# KiCad board mtt_final.kicad_pcb (continued)
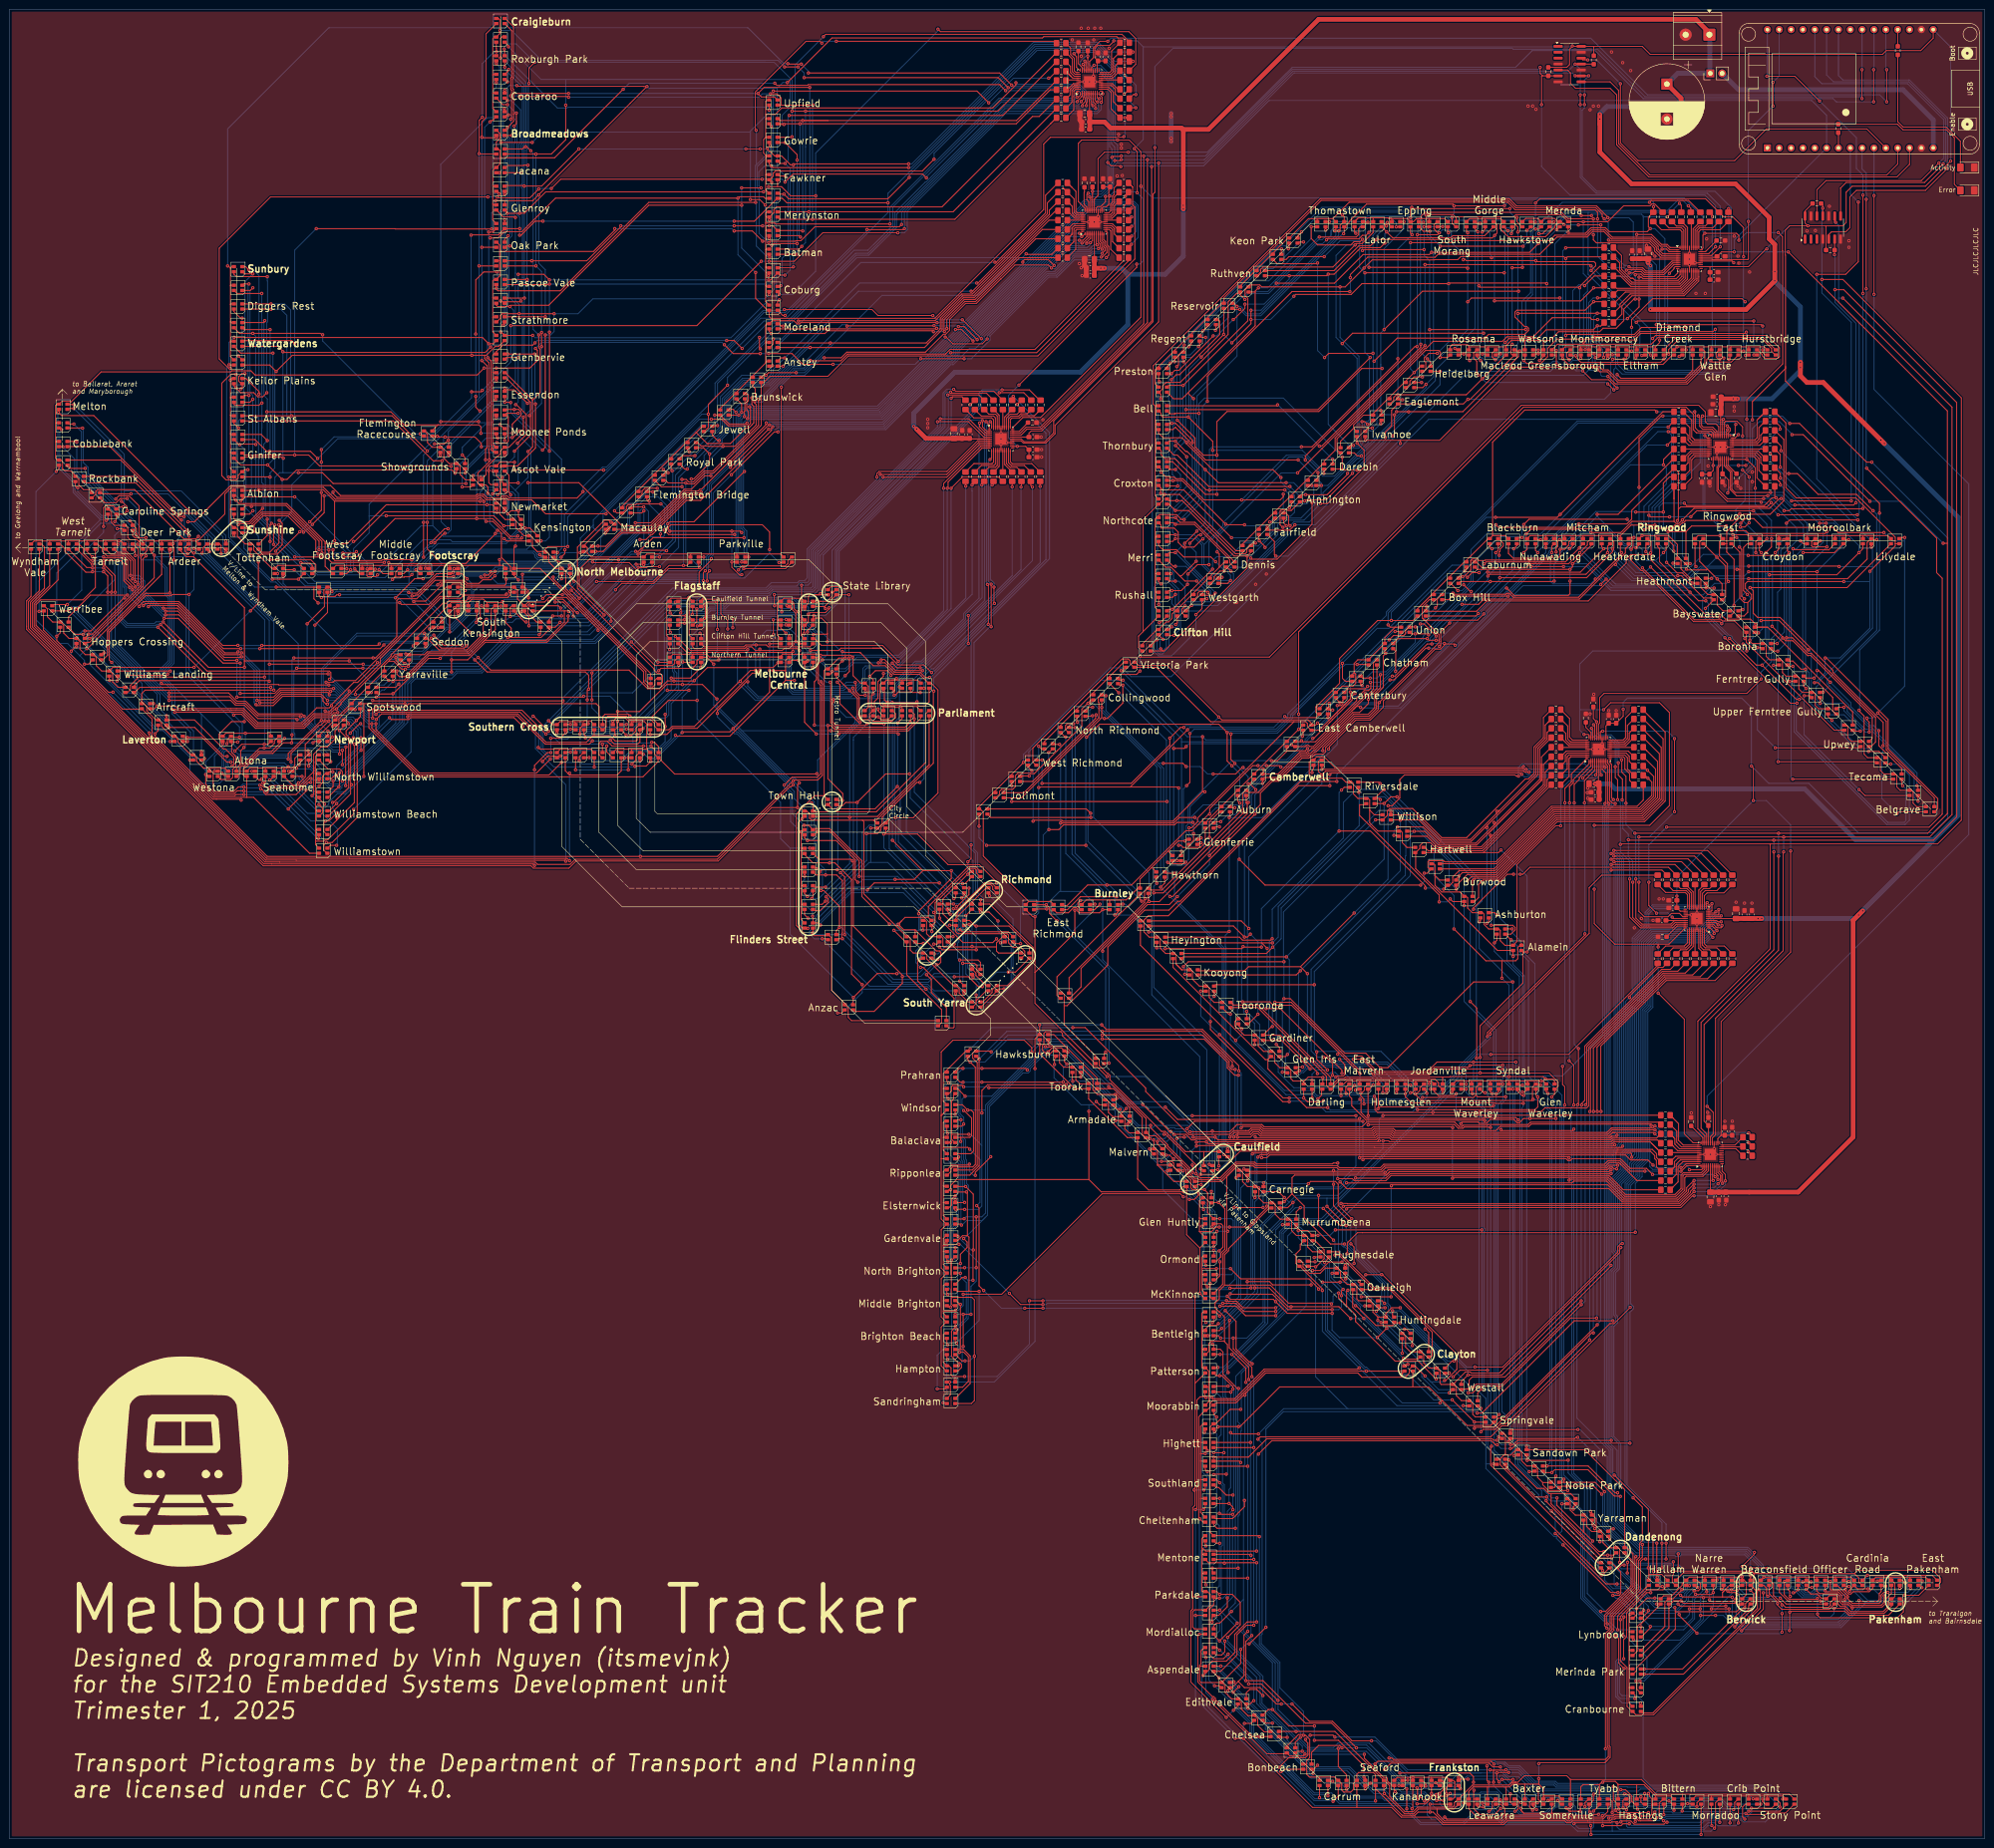
[diagram p0: board, top side]
## Nets (continued)
Net-(D291-GK): D291.4 D297.4 D303.4 D309.4 D315.4 D321.4 D327.4 D333.4 D339.4 D345.4 D351.4 D429.4 R85.2
Net-(D291-RK): D291.1 D297.1 D303.1 D309.1 D315.1 D321.1 D327.1 D333.1 D339.1 D345.1 D351.1 D429.1 R84.2
Net-(D292-BK): D292.2 D298.2 D304.2 D310.2 D316.2 D322.2 D328.2 D334.2 D340.2 D346.2 D352.2 D430.2 R89.2
Net-(D292-GK): D292.4 D298.4 D304.4 D310.4 D316.4 D322.4 D328.4 D334.4 D340.4 D346.4 D352.4 D430.4 R88.2
Net-(D292-RK): D292.1 D298.1 D304.1 D310.1 D316.1 D322.1 D328.1 D334.1 D340.1 D346.1 D352.1 D430.1 R87.2
Net-(D293-BK): D293.2 D299.2 D305.2 D311.2 D317.2 D323.2 D329.2 D335.2 D341.2 D347.2 D353.2 D431.2 R92.2
Net-(D293-GK): D293.4 D299.4 D305.4 D311.4 D317.4 D323.4 D329.4 D335.4 D341.4 D347.4 D353.4 D431.4 R91.2
Net-(D293-RK): D293.1 D299.1 D305.1 D311.1 D317.1 D323.1 D329.1 D335.1 D341.1 D347.1 D353.1 D431.1 R90.2
Net-(D294-BK): D294.2 D300.2 D306.2 D312.2 D318.2 D324.2 D330.2 D336.2 D342.2 D348.2 D354.2 D432.2 R95.2
Net-(D294-GK): D294.4 D300.4 D306.4 D312.4 D318.4 D324.4 D330.4 D336.4 D342.4 D348.4 D354.4 D432.4 R94.2
Net-(D294-RK): D294.1 D300.1 D306.1 D312.1 D318.1 D324.1 D330.1 D336.1 D342.1 D348.1 D354.1 D432.1 R93.2
Net-(D357-BK): D357.2 D363.2 D369.2 D375.2 D381.2 D387.2 D393.2 D399.2 D405.2 D411.2 D417.2 D423.2 R99.2
Net-(D357-GK): D357.4 D363.4 D369.4 D375.4 D381.4 D387.4 D393.4 D399.4 D405.4 D411.4 D417.4 D423.4 R98.2
Net-(D357-RK): D357.1 D363.1 D369.1 D375.1 D381.1 D387.1 D393.1 D399.1 D405.1 D411.1 D417.1 D423.1 R97.2
Net-(D358-BK): D358.2 D364.2 D370.2 D376.2 D382.2 D388.2 D394.2 D400.2 D406.2 D412.2 D418.2 D424.2 R102.2
Net-(D358-GK): D358.4 D364.4 D370.4 D376.4 D382.4 D388.4 D394.4 D400.4 D406.4 D412.4 D418.4 D424.4 R101.2
Net-(D358-RK): D358.1 D364.1 D370.1 D376.1 D382.1 D388.1 D394.1 D400.1 D406.1 D412.1 D418.1 D424.1 R100.2
Net-(D359-BK): D359.2 D365.2 D371.2 D377.2 D383.2 D389.2 D395.2 D401.2 D407.2 D413.2 D419.2 D425.2 R105.2
Net-(D359-GK): D359.4 D365.4 D371.4 D377.4 D383.4 D389.4 D395.4 D401.4 D407.4 D413.4 D419.4 D425.4 R104.2
Net-(D359-RK): D359.1 D365.1 D371.1 D377.1 D383.1 D389.1 D395.1 D401.1 D407.1 D413.1 D419.1 D425.1 R103.2
Net-(D360-BK): D360.2 D366.2 D372.2 D378.2 D384.2 D390.2 D396.2 D402.2 D408.2 D414.2 D420.2 D426.2 R108.2
Net-(D360-GK): D360.4 D366.4 D372.4 D378.4 D384.4 D390.4 D396.4 D402.4 D408.4 D414.4 D420.4 D426.4 R107.2
Net-(D360-RK): D360.1 D366.1 D372.1 D378.1 D384.1 D390.1 D396.1 D402.1 D408.1 D414.1 D420.1 D426.1 R106.2
Net-(D361-BK): D361.2 D367.2 D373.2 D379.2 D385.2 D391.2 D397.2 D403.2 D409.2 D415.2 D421.2 D427.2 R111.2
Net-(D361-GK): D361.4 D367.4 D373.4 D379.4 D385.4 D391.4 D397.4 D403.4 D409.4 D415.4 D421.4 D427.4 R110.2
Net-(D361-RK): D361.1 D367.1 D373.1 D379.1 D385.1 D391.1 D397.1 D403.1 D409.1 D415.1 D421.1 D427.1 R109.2
Net-(D362-BK): D362.2 D368.2 D374.2 D380.2 D386.2 D392.2 D398.2 D404.2 D410.2 D416.2 D422.2 D428.2 R114.2
Net-(D362-GK): D362.4 D368.4 D374.4 D380.4 D386.4 D392.4 D398.4 D404.4 D410.4 D416.4 D422.4 D428.4 R113.2
Net-(D362-RK): D362.1 D368.1 D374.1 D380.1 D386.1 D392.1 D398.1 D404.1 D410.1 D416.1 D422.1 D428.1 R112.2
Net-(D433-BK): D433.2 D439.2 D445.2 D451.2 D457.2 D463.2 D469.2 D475.2 D481.2 D487.2 D493.2 D499.2 R118.2
Net-(D433-GK): D433.4 D439.4 D445.4 D451.4 D457.4 D463.4 D469.4 D475.4 D481.4 D487.4 D493.4 D499.4 R117.2
Net-(D433-RK): D433.1 D439.1 D445.1 D451.1 D457.1 D463.1 D469.1 D475.1 D481.1 D487.1 D493.1 D499.1 R116.2
Net-(D434-BK): D434.2 D440.2 D446.2 D452.2 D458.2 D464.2 D476.2 D482.2 D488.2 D494.2 D500.2 R121.2
Net-(D434-GK): D434.4 D440.4 D446.4 D452.4 D458.4 D464.4 D476.4 D482.4 D488.4 D494.4 D500.4 R120.2
Net-(D434-RK): D434.1 D440.1 D446.1 D452.1 D458.1 D464.1 D476.1 D482.1 D488.1 D494.1 D500.1 R119.2
Net-(D435-BK): D435.2 D441.2 D447.2 D453.2 D459.2 D465.2 D471.2 D477.2 D483.2 D489.2 D495.2 D501.2 R124.2
Net-(D435-GK): D435.4 D441.4 D447.4 D453.4 D459.4 D465.4 D471.4 D477.4 D483.4 D489.4 D495.4 D501.4 R123.2
Net-(D435-RK): D435.1 D441.1 D447.1 D453.1 D459.1 D465.1 D471.1 D477.1 D483.1 D489.1 D495.1 D501.1 R122.2
Net-(D436-BK): D436.2 D442.2 D448.2 D454.2 D460.2 D466.2 D472.2 D478.2 D484.2 D490.2 D496.2 D502.2 R127.2
Net-(D436-GK): D436.4 D442.4 D448.4 D454.4 D460.4 D466.4 D472.4 D478.4 D484.4 D490.4 D496.4 D502.4 R126.2
Net-(D436-RK): D436.1 D442.1 D448.1 D454.1 D460.1 D466.1 D472.1 D478.1 D484.1 D490.1 D496.1 D502.1 R125.2
Net-(D437-BK): D437.2 D443.2 D449.2 D455.2 D461.2 D467.2 D473.2 D479.2 D485.2 D491.2 D497.2 D503.2 R130.2
Net-(D437-GK): D437.4 D443.4 D449.4 D455.4 D461.4 D467.4 D473.4 D479.4 D485.4 D491.4 D497.4 D503.4 R129.2
Net-(D437-RK): D437.1 D443.1 D449.1 D455.1 D461.1 D467.1 D473.1 D479.1 D485.1 D491.1 D497.1 D503.1 R128.2
Net-(D438-BK): D438.2 D444.2 D450.2 D456.2 D462.2 D468.2 D474.2 D480.2 D486.2 D492.2 D498.2 D504.2 R133.2
Net-(D438-GK): D438.4 D444.4 D450.4 D456.4 D462.4 D468.4 D474.4 D480.4 D486.4 D492.4 D498.4 D504.4 R132.2
Net-(D438-RK): D438.1 D444.1 D450.1 D456.1 D462.1 D468.1 D474.1 D480.1 D486.1 D492.1 D498.1 D504.1 R131.2
Net-(D505-BK): D505.2 D511.2 D517.2 D523.2 D529.2 D535.2 D541.2 D547.2 D553.2 D559.2 D565.2 D571.2 R137.2
Net-(D505-GK): D505.4 D511.4 D517.4 D523.4 D529.4 D535.4 D541.4 D547.4 D553.4 D559.4 D565.4 D571.4 R136.2
Net-(D505-RK): D505.1 D511.1 D517.1 D523.1 D529.1 D535.1 D541.1 D547.1 D553.1 D559.1 D565.1 D571.1 R135.2
Net-(D506-BK): D506.2 D512.2 D518.2 D524.2 D530.2 D536.2 D542.2 D548.2 D554.2 D560.2 D566.2 D572.2 R140.2
Net-(D506-GK): D506.4 D512.4 D518.4 D524.4 D530.4 D536.4 D542.4 D548.4 D554.4 D560.4 D566.4 D572.4 R139.2
Net-(D506-RK): D506.1 D512.1 D518.1 D524.1 D530.1 D536.1 D542.1 D548.1 D554.1 D560.1 D566.1 D572.1 R138.2
Net-(D507-BK): D507.2 D513.2 D519.2 D525.2 D531.2 D537.2 D543.2 D549.2 D555.2 D561.2 D567.2 D573.2 R144.2
Net-(D507-GK): D507.4 D513.4 D519.4 D525.4 D531.4 D537.4 D543.4 D549.4 D555.4 D561.4 D567.4 D573.4 R142.2
Net-(D507-RK): D507.1 D513.1 D519.1 D525.1 D531.1 D537.1 D543.1 D549.1 D555.1 D561.1 D567.1 D573.1 R141.2
Net-(D508-A): D508.2 R147.2
Net-(D509-A): D509.2 R148.2
Net-(D514-BK): D514.2 D515.2 R146.2
Net-(D514-GK): D514.4 D515.4 R145.2
Net-(D514-RK): D514.1 D515.1 R143.2
Net-(JP1-B): JP1.2 U1.15
Net-(U1-IO2): R147.1 U1.19
Net-(U1-IO33): R148.1 U1.7
Net-(U2-ISET): R1.2 U2.32
Net-(U3-ISET): R20.2 U3.32
Net-(U4-ISET): R39.2 U4.32
Net-(U5-ISET): R58.2 U5.32
Net-(U6-ISET): R77.2 U6.32
Net-(U7-ISET): R96.2 U7.32
Net-(U8-ISET): R115.2 U8.32
Net-(U9-ISET): R134.2 U9.32

Pads without a net: U1 1 2 3 4 5 18 23 27 28; U2 23 25; U3 23 25; U4 23 25; U5 23 25; U6 23 25; U7 23 25; U8 23 25; U9 13 14 15 16 18 19 23 25; U10 1 2 3; U11 1 2 3

## Via types
v1: diameter 0.7, hole 0.3, Top to Bottom, 3553 vias

## Routing (per net, layer and track width the routed paths; a pad name or vN(x,y) marks a point on that pad's centre or on a via; arc(x,y) is an arc through that point)
+3.3V: length 844
  Top w0.2: 367,150.9 366.99,150.91 366.99,175.29 381.9,190.2 v1(381.9,211.9) ; 367,150.9 C46.2 C47.2 ; 367,150.9 366.29,150.19 U9.24 ; v1(216.45,311.85) 241.7,337.1 v1(241.7,337.8) ; v1(376.8,341.05) 376.65,341.05 372.85,337.25 364.4,337.25 ; C5.2 C6.2 232.74,382.06 232.74,384.1 233.34,384.7 235.9,384.7 236.8,385.6 v1(236.8,385.7) ; v1(399.3,295.3) 398.2,295.3 380.8,312.7 380.8,315.8 ; U3.24 234.22,349.81 ; 234.22,349.81 234.22,349.8 234.22,349.79 ; 234.22,349.81 234.52,350.11 235.22,350.11 235.48,350.37 235.72,350.61 235.72,354.1 ; U4.24 v1(216.1,298.69) 217.9,298.69 C11.2 C10.2 ; v1(385.6,346) 389.5,346 ; v1(385.6,346) 381.7,346 380.75,345.05 380.75,339.75 380.8,339.7 380.8,315.8 ; v1(385.6,346) 384.99,346.61 U11.14 384.99,349.19 R151.2 ; 389.5,346 393.1,346 393.8,346.7 393.8,353.2 395.1,354.5 410.8,354.5 v1(416.2,359.9) ; 389.5,346 389.47,345.97 389.47,340.83 ; U6.24 v1(365.28,294.6) 365.28,293.51 C17.2 C16.2 ; 380.8,315.8 380.8,315.4 373.7,308.3 v1(373.7,304.4) ; 339.7,384.52 U10.14 335.12,384.52 334.5,383.9 334.5,380.6 333.94,380.04 329.97,380.04 ; 339.7,384.52 350.08,384.52 351.8,382.8 401.6,382.8 402.4,383.6 409.8,383.6 412.48,386.27 U1.16 ; 339.7,384.52 R149.2 ; v1(373.5,230.1) 373.9,229.7 v1(373.9,222.7) ; 364.4,337.25 364.6,337.25 364.6,336.07 ; 364.4,337.25 U5.24 ; v1(241.8,353.1) 241.8,361.92 v1(241.16,362.56) ; v1(346,242.3) 346,240.81 C35.2 C34.2 342.3,238.71 U7.24 ; U2.24 233.21,381.19 ; v1(357.5,202.2) C41.2 C40.2 358.22,198.98 U8.24 ; C23.2 C22.2 ; v1(372.3,294.6) v1(370.7,294.6) ; C28.2 C29.2
  Bottom w0.2: v1(236.8,385.7) 241.8,385.7 243.1,384.4 ; U1.16 416.2,384.39 v1(416.2,359.9) ; v1(376.8,341.05) 376.8,341.2 381.6,346 v1(385.6,346) ; v1(216.1,298.69) 214.2,300.59 214.2,309.6 v1(216.45,311.85) ; v1(365.28,294.6) v1(370.7,294.6) ; 243.1,384.4 334.9,384.4 v1(335.1,384.6) ; 243.1,384.4 243.1,364.5 v1(241.16,362.56) ; v1(241.7,337.8) 242.4,337.8 243.1,338.5 243.1,351.8 241.6,353.3 236.8,353.3 v1(235.9,352.4) ; v1(381.9,211.9) 381.9,217.5 376.7,222.7 v1(373.9,222.7) 357.5,206.3 v1(357.5,202.2) ; v1(372.3,294.6) 372.4,294.6 373.2,295.4 373.2,303.9 v1(373.7,304.4) ; v1(346,242.3) 346,243.8 346.9,244.7 371.4,244.7 373.5,242.6 v1(373.5,230.1) 377.2,226.4 385.8,226.4 396.4,215.8 412.43,215.8 415.6,218.97 415.6,279 v1(399.3,295.3)
+5V: length 882.9
  Top w0.2: 366.99,308.94 366.99,308.52 ; 366.99,308.94 367.03,308.9 ; 366.99,308.94 C15.2 366.99,308.94 ; 351.42,338.85 U5.6 ; U6.6 366.88,304.31 366.89,304.32 C13.2 ; U3.6 232.62,338.94 ; 367.25,138.7 367.67,138.7 ; 367.67,138.7 367.68,138.7 C45.2 367.67,138.7 ; U9.6 364.69,138.71 ; U2.6 231.61,373.18 231.5,373.07 231.5,372.73 231.59,372.65 C2.2 ; U8.6 370.18,197.38 ; 365.55,138.7 365.12,138.7 ; U7.6 340.7,226.35 ; U4.6 205.7,300.29 U4.6
  Top w1: v1(351.32,338.1) C25.2 C27.2 C26.2 ; C49.1 358.4,373.39 v1(358.4,371.6) v1(359.5,371.6) ; C20.2 232.62,335.52 232.59,335.5 ; C20.2 C19.2 ; C20.2 v1(234,336.91) v1(234.79,336.91) ; C3.2 231.64,366.71 C4.2 ; 367.67,138.7 383.5,138.7 395.3,150.5 395.3,197 v1(396.45,198.15) v1(397.35,199.05) ; 367.67,138.7 C45.2 ; 367.67,138.7 C44.2 C43.2 ; v1(375.7,197.4) v1(374.9,197.4) 372.8,197.4 ; 364.48,387.43 361.6,390.3 280.7,390.3 257.09,366.69 251.6,366.69 ; C4.2 231.64,370.04 ; C4.2 234.81,368.29 236.1,367 251.29,367 251.6,366.69 ; v1(384,315.6) v1(384,316.7) 384,313.8 385.4,312.4 388.9,312.4 v1(402,299.3) ; 251.6,366.69 251.7,366.59 v1(251.7,349.6) ; v1(194.5,302.4) 196.5,300.4 C8.2 ; 341,367.8 v1(341,368.9) ; 341,367.8 341,361.8 347.8,355 370.1,355 377.3,347.8 377.3,343.2 378.5,342 v1(378.5,336.2) v1(378.5,334.2) 372.35,328.05 v1(351.85,328.05) ; 341,367.8 v1(341,369.9) ; C15.2 366.99,306.05 C13.2 ; C9.2 C8.2 ; C8.2 C7.2 ; C39.2 372.8,197.4 ; 372.8,197.4 C38.2 C37.2 ; v1(370.5,308.9) v1(369.6,308.9) 367.03,308.9 ; v1(340,226.3) C31.2 340.85,226.2 C32.2
  Bottom w0.2: J1.1 364.48,384.66 364.58,384.56 ; JP1.1 364.67,382.11 364.58,382.21
  Bottom w1: 413,214.7 412.6,214.3 395.8,214.3 384.9,225.2 344.3,225.2 343.2,226.3 v1(340,226.3) ; 413,214.7 417.8,219.5 417.8,283.5 v1(402,299.3) v1(401.25,300.05) ; 413,214.7 395.7,197.4 v1(374.9,197.4) ; v1(341,368.9) v1(341,369.9) 341,370.1 342.5,371.6 357.5,371.6 ; 357.5,371.6 v1(359.5,371.6) ; 357.5,371.6 v1(358.4,371.6) ; 378.5,336.1 v1(378.5,334.2) 378.5,334.1 384,328.6 v1(384,316.7) ; v1(351.85,328.05) v1(351.85,337.45) 351.32,337.98 v1(351.32,338.1) ; v1(251.7,350.4) v1(251.7,349.6) 251.7,339.5 247.8,335.6 239.8,335.6 ; v1(234,336.91) 238.49,336.91 239.8,335.6 ; 239.8,335.6 239.8,324.8 229.6,314.6 202.7,314.6 193.9,305.8 v1(193.9,303) v1(194.5,302.4) ; 364.58,378.81 364.58,386.91 ; 364.56,378.71 357.67,378.71 C49.1 ; v1(369.6,308.9) 377.9,308.9 384,315 v1(384,315.6)
GND: length 61.5
  Top w0.2: v1(231.6,376.9) v1(230.4,376.9) U2.39 ; 366.89,298.52 v1(368.1,298.52) U6.39 ; U6.26 v1(366.08,297.3) 366.08,297.72 ; U7.17 v1(341.9,233.7) v1(340.7,233.7) v1(339.5,233.7) U7.39 ; U9.45 v1(363.5,146.8) U9.39 ; 360.2,339.95 v1(360.2,340.1) U5.39 ; U8.45 v1(361.8,196.2) U8.39 ; U3.39 v1(231.4,346.82) v1(232.6,346.82) ; U3.45 v1(233.8,346.82) U3.17 ; U4.17 v1(212.6,299.1) v1(212.6,300.29) v1(212.6,301.5) U4.39 ; U9.17 v1(365.9,146.8) v1(364.7,146.8) ; 232.41,377.7 v1(232.41,378.1) U2.26 ; 233.42,347.62 v1(233.42,348) U3.26 ; 213.4,299.49 v1(213.8,299.49) U4.26 ; U6.17 v1(365.7,298.52) v1(366.88,298.52) ; U9.26 v1(365.49,148) 365.49,147.6 ; U5.26 v1(361.4,338.05) 361.3,338.05 ; v1(361.8,197.4) v1(361.8,198.6) U8.17 ; 360.2,337.75 v1(360.2,337.7) U5.17 ; U2.45 v1(232.8,376.9) U2.17 ; 361,198.18 v1(360.6,198.18) U8.26 ; U7.26 v1(341.5,234.9) 341.5,234.5
  Top w1: 230.49,338.89 230.49,337.5 230.9,337.1 230.87,337.07 230.87,335.5 ; C3.1 229.89,368.26 C4.1 229.51,368.69 C2.1
  Bottom w1: v1(249.1,370.1) v1(249.1,369.4) v1(249.1,364.8) v1(249.1,364.1)
  vias: v1(196.9,304.5) v1(196.9,303.6) v1(196.9,302.7) v1(221.2,300.7) v1(221.3,298) v1(221.3,296.4) v1(221.6,304.4) v1(227.9,385.9) v1(229.4,337.9) v1(229.8,388.4) v1(229.8,382.4) v1(229.8,337) v1(230,335.3) v1(231.3,388.4) v1(232.5,385.9) v1(232.7,388.4) v1(234,388.4) v1(235.8,384.1) v1(237.5,356.7) v1(237.8,365.6) v1(238.4,363.5) v1(238.4,362.7) v1(238.6,356.8) v1(263.1,265.2) v1(267.2,269.1) v1(269.5,271.3) v1(325.6,371.7) v1(326.6,371.7) v1(327.3,371) v1(338.3,224.4) v1(338.4,225.4) v1(338.4,223.2) v1(338.9,370.9) v1(338.9,241.3) v1(339.6,371.7) v1(339.7,245.5) v1(340.7,371.7) v1(342.9,242) v1(343.5,383.3) v1(344.5,242) v1(345.9,381) v1(347.6,379.3) v1(348.4,195.4) v1(349.9,197.4) v1(351,341.8) v1(352.2,340.1) v1(352.4,197) v1(352.8,339.5) v1(353.7,201.6) v1(354.6,201.6) v1(360.2,338.85) v1(360.6,155.7) v1(361.6,331.5) v1(363.6,331.5) v1(363.9,343.2) v1(364.1,155.8) v1(364.2,294.5) v1(364.6,290.2) v1(364.7,135.6) v1(366.5,136) v1(367.8,290.3) v1(367.8,153.9) v1(367.9,136) v1(369.4,153.9) v1(369.8,343.8) v1(369.8,307.2) v1(369.8,306.3) v1(370.2,200.9) v1(370.6,339.5) v1(370.6,290.2) v1(370.8,338) v1(371.2,289.7) v1(372,200.7) v1(373.1,336.1) v1(373.6,200.7) v1(373.7,293.2) v1(373.7,291.1) v1(385.4,344.9) v1(387.2,345) v1(390.2,350.2) v1(394.4,342.8) v1(394.4,341.4)
/DRV_EN: length 759.6
  Top w0.2: C30.2 367.07,340.4 v1(369.8,340.4) ; U4.29 C12.2 218.6,301.5 219.1,302 221.33,302 244.9,325.57 v1(244.9,358.7) ; v1(414.6,277.9) 415.5,277.9 ; 415.5,277.9 415.5,306.3 v1(381.4,340.4) ; 415.5,277.9 415.5,219.9 411.3,215.7 v1(379.3,215.7) 348.5,215.7 v1(348.5,215.7) ; U8.29 357,196.98 ; 357,196.98 355.28,196.98 ; 357,196.98 357,196.97 356.23,196.2 350.03,196.2 348.72,197.52 348.72,205.88 v1(348.7,205.9) ; C48.2 363.35,153.92 363.35,174.65 379.3,190.6 v1(379.3,210.8) ; 345.7,231.5 345.7,231.5 v1(345.65,231.45) 345.7,231.4 345.7,228.8 346.59,227.91 v1(346.59,222.12) ; U7.29 340.3,239.6 v1(340.3,239.6) 339.6,240.3 C36.2 ; U2.29 231.21,382 ; 231.21,382 C1.2 ; 231.21,382 231.21,382.09 ; U3.29 v1(232.22,353.4) C24.2 ; U6.29 367.28,292.8 ; v1(238.3,358.7) 238.1,358.9 236.2,358.9 v1(235.5,359.6) ; U9.29 364.29,152.98 ; C18.2 368.6,291.48 368.6,288.9 v1(368.4,288.7) ; v1(398.9,286.9) 384.6,301.2 v1(382.2,301.2) ; U5.29 365.92,339.25
  Bottom w0.2: v1(345.65,231.45) 345.65,231.45 345.1,232 345.1,235.13 343.43,236.8 340.8,236.8 340.3,237.3 340.3,239.6 v1(340.3,239.6) ; v1(379.3,215.7) v1(379.3,210.8) ; v1(231.21,382.4) 230.78,382.4 229.61,381.23 229.61,380.39 230.95,379.05 233.65,379.05 235.5,377.2 v1(235.5,359.6) 235.5,354.78 234.12,353.4 v1(232.22,353.4) ; v1(238.3,358.7) 238.5,358.9 256.07,358.9 270.07,372.9 386.4,372.9 389.62,369.69 U1.6 384.58,357.68 384.54,357.68 369.8,342.94 v1(369.8,340.4) v1(381.4,340.4) ; v1(348.7,205.9) 348.7,215.5 v1(348.5,215.7) 346.6,217.6 346.6,222.11 v1(346.59,222.12) ; v1(368.4,288.7) 368.4,289.5 373.7,294.8 373.7,302.5 375.2,304 379.5,304 382.2,301.3 v1(382.2,301.2) ; v1(398.9,286.9) 405.6,286.9 v1(414.6,277.9)
/H_MISO_UB: length 87.3
  Top w0.2: U10.8 343.2,376.9 345,375.1 345,363.63 351.73,356.9 402.5,356.9 404.86,359.25 U1.12
/H_MOSI_UB: length 97
  Top w0.2: U10.5 334.06,379.44 334.7,378.8 334.7,376.6 335.8,375.5 343.2,375.5 344.6,374.1 344.6,363.4 351.5,356.5 404.7,356.5 407.4,359.2 407.39,359.2 U1.13
/H_SCK_UB: length 86.4
  Top w0.2: U1.11 399.33,365.7 398.23,366.8 376.7,366.8 369.9,360 349.2,360 345.4,363.8 v1(345.4,376.5) ; U10.12 337.38,381.6 v1(338.4,381.6)
  Bottom w0.2: v1(345.4,376.5) 340.3,381.6 v1(338.4,381.6)
/L0_A0: length 161.7
  Top w0.2: v1(232.3,371.8) 232.01,372.09 U2.7 ; v1(214.15,375.65) 212,377.8 v1(170.4,377.8) ; 103.65,374.4 103.75,374.5 D5.3 ; 103.65,374.4 103.65,371.25 D6.3 ; 103.65,374.4 103.65,378.4 ; 103.65,382.4 103.75,382.5 D3.3 ; 103.65,382.4 103.65,386.15 104,386.5 D2.3 105.15,387.25 105.15,390.2 104.85,390.5 D1.3 ; 103.65,382.4 103.65,378.4 ; 103.65,378.4 103.75,378.5 D4.3 ; v1(169.1,380.1) v1(166.2,380.1)
  Bottom w0.2: v1(170.4,377.8) 170.4,378.8 v1(169.1,380.1) ; v1(232.3,371.8) 232.3,372.39 229.09,375.6 214.2,375.6 v1(214.15,375.65) ; v1(166.2,380.1) 164.8,381.5 162.1,381.5 162.08,381.48 114.12,381.48 107.7,387.9 v1(105.2,387.9)
/L0_A1: length 162.1
  Top w0.2: 105.15,360.6 105.15,362.2 104.85,362.5 D8.3 104.4,364 105.15,364.75 105.15,365.82 104.47,366.5 ; 105.15,360.6 116.9,360.6 v1(131.6,375.3) ; 105.15,360.6 105.15,359.25 D9.3 ; 230.9,372.33 v1(230.9,371.8) ; 230.9,372.33 231.12,372.55 ; 230.9,372.33 231.1,372.53 231.1,373.23 231.21,373.34 U2.5 ; 104.25,358.5 103.65,357.9 103.65,354.65 ; v1(164.1,376.6) 164.56,376.14 171.14,376.14 171.3,376.3 212.31,376.3 v1(213.6,375.01) ; D11.3 103.8,350.5 103.65,350.65 ; D10.3 103.8,354.5 103.65,354.65 ; 103.65,350.65 103.65,347.25 D12.3 ; 103.65,350.65 103.65,354.65
  Bottom w0.2: v1(164.1,376.6) 132.9,376.6 v1(131.6,375.3) ; v1(230.9,371.8) 230.9,373.22 229.11,375.01 v1(213.6,375.01)
/L0_A2: length 172.1
  Top w0.2: v1(232.9,371.2) 232.9,372.1 232.41,372.59 U2.8 ; v1(129.8,345.4) 129.8,345.07 125.23,340.5 105.15,340.5 ; 105.15,340.5 105.15,338.5 ; 105.15,340.5 105.15,341.82 104.47,342.5 ; 105.15,338.5 105.15,335.25 D15.3 103.95,334.5 103.65,334.2 103.65,330.65 ; 105.15,338.5 D14.3 ; v1(191.3,346.3) 190.8,345.8 172.7,345.8 169.7,342.8 168.65,342.8 168.55,342.7 163.1,342.7 v1(162.8,342.4) ; D16.3 103.8,330.5 103.65,330.65 ; 103.65,326.4 103.65,323.25 D18.3 ; 103.65,326.4 103.65,330.65 ; 103.65,326.4 103.75,326.5 D17.3 ; v1(155.4,344.9) 159.3,344.9 v1(161.5,342.7)
  Bottom w0.2: v1(129.8,345.4) 154.9,345.4 v1(155.4,344.9) ; v1(191.3,346.3) 191.3,349.02 213.44,371.16 232.86,371.16 v1(232.9,371.2) ; v1(162.8,342.4) 162.5,342.7 v1(161.5,342.7)
/L0_A3: length 178.3
  Top w0.2: 103.65,306.15 104,306.5 D22.3 ; 103.65,306.15 103.65,310.4 ; 103.65,306.15 103.65,302.4 ; 103.65,310.4 103.75,310.5 D21.3 ; 103.65,310.4 103.65,314.65 ; U2.4 230.81,373.51 230.7,373.4 230.7,372.7 230.06,372.06 v1(230.06,371.76) ; 103.65,302.4 103.65,299.25 D24.3 ; 103.65,302.4 103.75,302.5 D23.3 ; v1(112.7,320.9) 112.2,320.4 105.8,320.4 104.4,319 D19.3 103.95,318.5 103.65,318.2 103.65,314.65 ; 103.65,314.65 103.8,314.5 D20.3 ; v1(157.1,319.7) 155.4,321.4 v1(153.8,321.4)
  Bottom w0.2: v1(230.06,371.76) 229.9,371.6 213.32,371.6 190.2,348.49 190.2,345.64 184.27,339.7 181.57,339.7 167.03,325.16 162.56,325.16 v1(157.1,319.7) ; v1(153.8,321.4) 113.2,321.4 v1(112.7,320.9)
/L0_A4: length 198.6
  Top w0.2: D27.3 90.65,298.5 89.65,299.5 89.65,301.32 88.97,302 ; D29.3 94.3,295 93.15,296.15 93.15,296.15 93.15,297.82 92.47,298.5 ; 96.05,295 96.65,294.4 96.65,292.65 97.8,291.5 D30.3 99.4,292.2 99.43,292.23 v1(99.43,292.41) ; v1(191.9,345.4) 191.7,345.2 183.88,345.2 v1(183.88,345.2) ; v1(233.3,372.6) 233.1,372.6 232.81,372.89 U2.9 ; D26.3 103.2,290.5 102.79,290.91 v1(102.79,293.5) 102.79,294.17 103.12,294.5 D25.3 105.2,295.3 v1(108.3,295.3) ; v1(108.3,293.6) v1(127.4,293.6)
  Bottom w0.2: v1(108.3,295.3) v1(108.3,293.6) ; v1(127.4,293.6) 127.94,293.6 161.76,327.42 166.38,327.42 183.88,344.92 v1(183.88,345.2) ; v1(233.3,372.6) 233.5,372.4 233.5,370.95 233.15,370.6 213.45,370.6 191.9,349.05 v1(191.9,345.4) ; v1(102.79,293.5) 100.51,293.5 v1(99.43,292.41)
/L0_A5: length 218.9
  Top w0.2: v1(119.7,277.2) 115.5,277.2 114.9,276.6 D34.3 115.35,276 115.65,275.7 115.65,273.9 117.05,272.5 D35.3 ; 118.51,272.5 119.28,271.73 119.28,268.17 137.5,249.95 D36.3 ; v1(229.79,372.67) 230.3,373.18 230.3,373.56 230.41,373.68 U2.3 ; 114.76,276.14 113.16,276.14 112.15,277.15 112.15,279.2 111.85,279.5 D33.3 110.36,279.5 108.65,281.21 108.65,282.7 108.35,283 D32.3 106.3,283 105.15,284.15 105.15,286.2 104.85,286.5 D31.3
  Bottom w0.2: v1(229.79,372.67) 229.79,372.57 229.22,372 213.15,372 196.55,355.4 196.4,355.4 189.8,348.8 189.8,346.5 ; v1(119.7,277.2) 119.7,283.5 161.8,325.6 164.1,325.6 164.14,325.56 166.86,325.56 181.4,340.1 184.1,340.1 189.8,345.8 189.8,346.5 ; 189.8,346.5 189.8,345.93
/L0_A6: length 258.2
  Top w0.2: D40.3 47.55,325.25 47.4,325.4 ; 47.4,321.15 47.4,318 D42.3 ; 47.4,321.15 47.5,321.25 D41.3 ; 47.4,321.15 47.4,325.4 ; 47.4,329.15 47.4,333.15 ; 47.4,329.15 47.5,329.25 D39.3 ; 47.4,329.15 47.4,325.4 ; 47.4,333.15 47.4,336.95 ; 47.4,333.15 47.5,333.25 D38.3 ; 47.4,336.95 46.95,337.4 v1(46.8,337.4) ; 47.4,336.95 47.7,337.25 D37.3 ; v1(166.9,380.8) 167,380.7 v1(169.8,380.7) ; v1(233.7,373.3) 233.45,373.3 233.21,373.54 U2.10 ; v1(214.9,376.2) 212.3,378.8 v1(171.3,378.8)
  Bottom w0.2: v1(169.8,380.7) 171.3,379.2 v1(171.3,378.8) ; v1(166.9,380.8) 166.07,380.8 158.37,388.5 68.5,388.5 46.8,366.8 v1(46.8,337.4) ; v1(233.7,373.3) 231.95,373.3 229.25,376 226.3,376 226.3,376 215.1,376 v1(214.9,376.2)
/L0_A7: length 254.6
  Top w0.2: D44.3 47.5,309.25 47.4,309.15 ; v1(161.4,356) 118.2,356 v1(116.2,354) ; 47.4,297.4 47.4,294 D48.3 ; 47.4,297.4 47.4,301.4 ; 47.4,297.4 47.55,297.25 D47.3 ; 47.4,309.15 v1(47.4,312.9) 47.4,312.95 47.7,313.25 D43.3 ; 47.4,309.15 47.4,305.4 ; D45.3 47.55,305.25 47.4,305.4 ; 47.4,301.4 47.55,301.25 D46.3 ; 47.4,301.4 47.4,305.4 ; 105,352 111.6,352 v1(113.5,353.9) ; 105,352 104.7,352 ; 105,352 104.8,352 v1(104.6,352.2) ; v1(47.35,315.44) 47.01,315.44 45,317.45 45,341.2 56,352.2 v1(102.6,352.2) ; v1(196.6,356.3) 195.8,357.1 168,357.1 v1(166.3,355.4) ; U2.2 230.01,373.84 229.9,373.73 229.9,373.7 228.94,372.74 v1(228.94,372.65)
  Bottom w0.2: v1(228.94,372.65) 228.89,372.6 212.7,372.6 196.6,356.5 v1(196.6,356.3) ; v1(161.4,356) 165.7,356 v1(166.3,355.4) ; 47.3,312.9 47.3,314.6 47.35,314.65 v1(47.35,315.44) ; v1(113.5,353.9) 113.6,354 v1(116.2,354) ; v1(102.6,352.2) v1(104.6,352.2)
/L0_A8: length 269.5
  Top w0.2: v1(66.9,295.3) v1(66.9,298) ; v1(62.28,280.38) 57.47,275.57 53.97,275.57 53.6,275.2 ; 53.6,275.2 52.4,276.4 52.4,277.45 52.1,277.75 D52.3 50.55,277.75 48.9,279.4 48.9,280.95 48.6,281.25 D51.3 47.4,282 47.4,285.15 ; 53.6,275.2 56.3,272.5 D53.3 57.55,273.15 62.5,273.15 D54.3 ; v1(234.1,372.5) 234.3,372.7 234.3,373.6 233.61,374.29 ; 47.4,285.15 47.5,285.25 D50.3 ; 47.4,285.15 47.4,288.95 47.7,289.25 D49.3 ; v1(107.5,324.6) 147.4,324.6 v1(161.2,338.4) ; v1(99.1,310.4) 101.1,310.4 v1(101.4,310.7) ; v1(66.9,288.8) 66.9,285 v1(64.4,282.5) ; v1(162.9,338.4) 168.3,338.4 174.4,344.5 v1(190.5,344.5)
  Bottom w0.2: v1(107.5,324.6) 107.5,316.8 v1(101.4,310.7) ; v1(66.9,288.8) v1(66.9,295.3) ; v1(66.9,298) 69.63,300.73 90.73,300.73 99.1,309.1 v1(99.1,310.4) ; v1(64.4,282.5) v1(62.28,280.38) ; v1(162.9,338.4) v1(161.2,338.4) ; v1(234.1,372.5) 234.1,370.98 233.22,370.1 213.52,370.1 192.5,349.08 192.5,345.15 191.85,344.5 v1(190.5,344.5)
/L0_A9: length 215.2
  Top w0.2: 94.4,273.15 88.15,273.15 ; 94.4,273.15 D59.3 ; 94.4,273.15 105,273.15 ; 88.15,273.15 81.9,273.15 ; 88.15,273.15 D58.3 ; 106.4,272.65 105.9,273.15 105,273.15 ; 81.9,273.15 D57.3 ; 81.9,273.15 75.65,273.15 ; v1(118.3,274.9) 119.1,275.7 v1(119.1,276.5) ; D55.3 70.05,273.15 75.65,273.15 ; 229.61,374.39 229.61,374.01 229.2,373.6 v1(228.89,373.6) ; D56.3 75.65,273.15 ; 105,273.15 105.1,273.25 v1(105.1,274.4)
  Bottom w0.2: v1(105.1,274.4) 105.47,274.02 116.47,274.02 116.5,274 116.53,274.02 117.02,274.02 117.9,274.9 v1(118.3,274.9) ; v1(119.1,276.5) 119.1,277.3 119,277.4 119,284.1 119.01,284.1 161.1,326.18 166.57,326.18 180.54,340.16 180.54,340.19 181.1,340.75 184.05,340.75 189.4,346.1 189.4,350.02 210.06,370.68 210.06,370.69 212.37,373 228.28,373 v1(228.89,373.6)
/L0_A10: length 101.9
  Top w0.2: 162.15,356.9 162.15,361.15 162.3,361 ; 162.15,356.9 162.15,353.75 D66.3 ; 162.15,356.9 162.25,357 D65.3 ; D64.3 162.3,361 ; 162.3,361 161.7,361.6 161.7,364.5 162,364.8 ; D63.3 162.2,365 162,364.8 ; 234.12,374.9 234.42,374.6 v1(234.42,374.32) ; v1(215.8,376.7) 215.8,376.25 210.85,371.3 165.6,371.3 164.2,369.9 162.15,369.9 ; 162.15,369.9 162.15,372.7 162.45,373 D61.3 ; 162.15,369.9 162.15,368.9 ; 162.15,368.9 162.25,369 D62.3 ; 162.15,368.9 162.15,364.95 162,364.8
  Bottom w0.2: v1(234.42,374.32) 234.4,374.3 231.52,374.3 229.42,376.4 216.1,376.4 v1(215.8,376.7)
/L0_A11: length 105.2
  Top w0.2: 162.15,346.6 162.15,348.7 162.45,349 D67.3 ; 162.15,346.6 164.1,346.6 164.3,346.4 v1(188.8,346.4) ; 162.15,346.6 162.15,344.9 ; D72.3 162.15,329.75 162.15,333.15 ; D69.3 162.25,341 162.15,340.9 ; 162.15,340.9 162.15,344.9 ; 162.15,340.9 162.15,337.15 ; 229.1,374.9 228.86,374.66 v1(228.86,374.41) ; 162.15,344.9 162.25,345 D68.3 ; 162.15,333.15 162.3,333 D71.3 ; 162.15,333.15 162.15,337.15 ; 162.15,337.15 162.3,337 D70.3
  Bottom w0.2: v1(228.86,374.41) 228.77,374.41 227.76,373.4 212.2,373.4 209.66,370.86 209.66,370.84 188.8,349.99 v1(188.8,346.4)
